# Altium PCB X-Track_2.0.PcbDoc (continued)
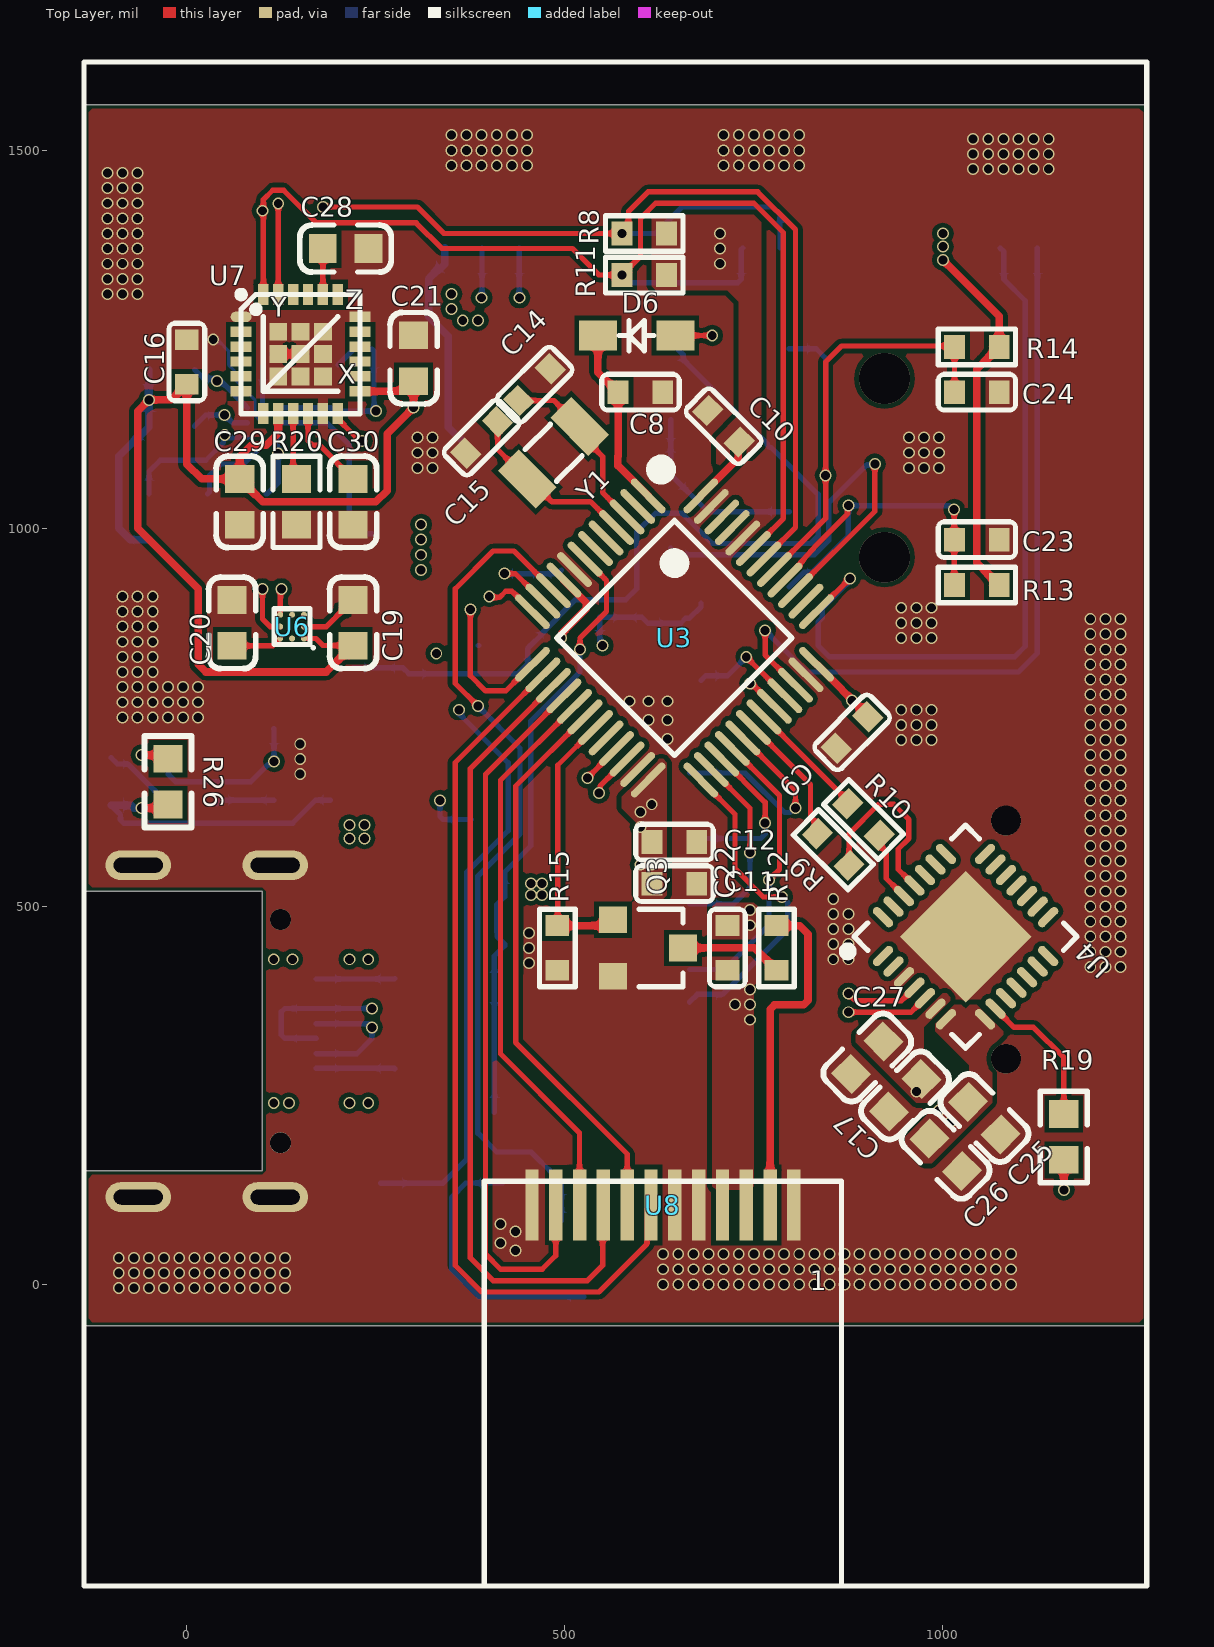
[diagram p0: Top Layer view]
## Footprints (in the part's own frame and the unit in brackets; to place one, negate y for a bottom-side part, rotate by r counter-clockwise, add the part's x,y. Pads: shape width x height; smd on the part's side, far side on the other; paste and mask are expansions set on the pad)
0603_C [mm]
  rect 0.93x0.98 smd: 1(-0.77,0) 2(0.77,0)
  silkscreen extent -1.53,-0.79 1.54,0.79, body extent -0.8,-0.4 0.8,0.4, height 0.3
0603_R [mm]
  rect 0.93x0.98 smd: 1(-0.77,0) 2(0.77,0)
  silkscreen extent -1.53,-0.79 1.54,0.79, body extent -0.85,-0.4 0.85,0.4, height 0.56
2512_R [mm]
  rect 1.25x3.42 smd: 1(-3.1,0) 2(3.1,0)
  silkscreen extent -4.03,-2.01 4.02,2.01, body extent -3.16,-1.6 3.16,1.6, height 0.62
BQ27220 [mm]
  round 0.245 smd: A1(0,0) A2(0.5,0) A3(1,0) B1(0,-0.5) B2(0.5,-0.5) B3(1,-0.5) C1(0,-1) C2(0.5,-1) C3(1,-1)
  silkscreen extent -0.3,-1.3 1.3,0.3
"GH1.25 2P 母座" [mm] "GH1.25 2P 母座"
  rect 1x2.7 smd: 0(-2.475,1.35) 0(2.475,1.35)
  rect 0.6x1.7 smd: 1(-0.625,4.55) 2(0.625,4.55)
  silkscreen extent -2.88,-0.2 2.88,4.1
"GH1.25 4P 母座" [mm] "GH1.25 4P 母座"
  rect 1x2.7 smd: 0(-3.725,1.35) 0(3.725,1.35)
  rect 0.6x1.7 smd: 1(-1.875,4.55) 2(-0.625,4.55) 3(0.625,4.55) 4(1.875,4.55)
  silkscreen extent -4.13,-0.2 4.13,4.1
LED_0603 [mm]
  rect 0.8x0.8 smd paste-0.1: A(-0.8,0) K(0.8,0)
  silkscreen extent -1.4,-0.6 1.4,0.6, body extent -0.8,-0.4 0.82,0.4, height 0.6
"LQFP48 7X7_L" [mm] "48脚，体宽7x7mm，脚距0.5mm"
  oval 0.25x1.55 smd: 1(-2.75,-4) 2(-2.25,-4) 3(-1.75,-4) 4(-1.25,-4) 5(-0.75,-4) 6(-0.25,-4) 7(0.25,-4) 8(0.75,-4) 9(1.25,-4) 10(1.75,-4) 11(2.25,-4) 12(2.75,-4) 25(2.75,4) 26(2.25,4) 27(1.75,4) 28(1.25,4) 29(0.75,4) 30(0.25,4) 31(-0.25,4) 32(-0.75,4) 33(-1.25,4) 34(-1.75,4) 35(-2.25,4) 36(-2.75,4)
  oval 1.55x0.25 smd: 13(4,-2.75) 14(4,-2.25) 15(4,-1.75) 16(4,-1.25) 17(4,-0.75) 18(4,-0.25) 19(4,0.25) 20(4,0.75) 21(4,1.25) 22(4,1.75) 23(4,2.25) 24(4,2.75) 37(-4,2.75) 38(-4,2.25) 39(-4,1.75) 40(-4,1.25) 41(-4,0.75) 42(-4,0.25) 43(-4,-0.25) 44(-4,-0.75) 45(-4,-1.25) 46(-4,-1.75) 47(-4,-2.25) 48(-4,-2.75)
  silkscreen extent -3.93,-4.57 2.79,2.79, body extent -4.5,-4.5 4.5,4.5, height 1.45
MOS_SOT-23 [mm]
  rect 0.9x0.95 smd: 1(-0.95,-1.175) 2(0,1.175) 3(0.95,-1.175)
  silkscreen extent -1.3,-0.3 1.3,1.18, body extent -1.45,-1.4 1.45,1.4, height 1.2
MPU-6050 [mm]
  oval 0.7x0.35 smd: 1(-2,1.25)
  rect 0.7x0.35 smd: 2(-2,0.75) 3(-2,0.25) 4(-2,-0.25) 5(-2,-0.75) 6(-2,-1.25) 13(2,-1.25) 14(2,-0.75) 15(2,-0.25) 16(2,0.25) 17(2,0.75) 18(2,1.25)
  rect 0.35x0.7 smd: 7(-1.25,-2) 8(-0.75,-2) 9(-0.25,-2) 10(0.25,-2) 11(0.75,-2) 12(1.25,-2) 19(1.25,2) 20(0.75,2) 21(0.25,2) 22(-0.25,2) 23(-0.75,2) 24(-1.25,2)
  rect 0.6x0.6 smd: NC(-0.75,0.75) NC(-0.75,-0.75) NC(-0.75,0) NC(0,-0.75) NC(0,0) NC(0,0.75) NC(0.75,-0.75) NC(0.75,0) NC(0.75,0.75)
  silkscreen extent -2.1,-2 2,2.1
QFN-28_5x5x05P [mm]
  rect 3.13x3.13 smd mask+0.051: 0(0,0)
  oval 0.28x0.85 smd mask+0.051: 1(-1.5,-2.425) 2(-1,-2.425) 3(-0.5,-2.425) 4(0,-2.425) 5(0.5,-2.425) 6(1,-2.425) 7(1.5,-2.425) 15(1.5,2.425) 16(1,2.425) 17(0.5,2.425) 18(0,2.425) 19(-0.5,2.425) 20(-1,2.425) 21(-1.5,2.425)
  oval 0.85x0.28 smd mask+0.051: 8(2.425,-1.5) 9(2.425,-1) 10(2.425,-0.5) 11(2.425,0) 12(2.425,0.5) 13(2.425,1) 14(2.425,1.5) 22(-2.425,1.5) 23(-2.425,1) 24(-2.425,0.5) 25(-2.425,0) 26(-2.425,-0.5) 27(-2.425,-1) 28(-2.425,-1.5)
  silkscreen extent -2.65,-3.3 2.65,2.65
QMC6310 [mm]
  round 0.2 smd: A1(0,0) A2(0.4,0) A3(0.8,0) B1(0,-0.4) B3(0.8,-0.4) C1(0,-0.8) C2(0.4,-0.8) C3(0.8,-0.8)
  silkscreen extent -0.31,-1 1,0.31
"SCREEN 2.0' 12PIN" [mm]
  rect 0.45x2.4 smd: 1(4.4,1.2) 2(3.6,1.2) 3(2.8,1.2) 4(2,1.2) 5(1.2,1.2) 6(0.4,1.2) 7(-0.4,1.2) 8(-1.2,1.2) 9(-2,1.2) 10(-2.8,1.2) 11(-3.6,1.2) 12(-4.4,1.2)
  silkscreen extent -19.45,-11.6 16.25,39.6
SIQ-02FVS3 [mm]
  rect 1.3x1.2 smd: 1(-4,-7.7) 2(-1.475,-7.7) 3(1.475,-7.7) 4(4,-7.7)
  rect 1.2x1.3 smd: 5(-5.4,-5.4) 5(-5.4,-1.3) 5(5.4,-5.4) 5(5.4,-1.3)
  rect 0.85x1.2 smd rot 45: 5(-2.828,2.828)
  rect 0.85x1.2 smd rot 135: 5(2.828,2.828)
  silkscreen extent -7.25,-7.25 7.25,7.25
SOT23-5 [mm]
  rect 0.5x1 smd: 1(0,0) 2(0.95,0) 3(1.9,0) 4(1.9,2.4) 5(0,2.4)
  silkscreen extent -0.55,0.4 2.45,2, body extent -0.5,-0.2 2.4,2.6, height 1.09
USB-TYPEC-沉板 [mm]
  round 0.71 hole 0.7: 11(-3.75,0.1) 11(3.75,0.1)
  rect 0.55x1.3 smd: A1/B12(-3.2,1.3) A4/B9(-2.45,1.3) B1/A12(3.2,1.3) B4/A9(2.45,1.3)
  rect 0.3x1.3 smd: A5(-1.25,1.3) A6(-0.25,1.3) A7(0.25,1.3) A8(1.25,1.3) B5(1.75,1.3) B6(0.75,1.3) B7(-0.75,1.3) B8(-1.75,1.3)
  oval 1x2.2 hole 1.65 slot 0.5 at 0 deg: G(-5.575,-4.68) G(-5.575,-0.08) G(5.575,-4.68) G(5.575,-0.08)
  silkscreen extent -6.5,-6.43 6.5,2.4
二极管_SOD-323 [mil]
  rect 50x40 smd: A(-51.18,0) K(51.18,0)
  silkscreen extent -23,-20 23,20, body extent -51,-26 51,26, height 39
开关按键_SKRP [mm]
  rect 1x0.6 smd: 1(-2.1,-1.1) 1(2.1,-1.1) 2(-2.1,1.1) 2(2.1,1.1)
  silkscreen extent -2,-1.5 2,1.5
接插件_Micro_SD [mm]
  rect 2.032x2.2 smd: 0(-10.1,-10.227) 0(5.4,-10.227)
  rect 1.2x1.4 smd: 0(-10.1,-0.627)
  round 1 hole 1 unplated: 0(-7.2,-10.627) 0(0.8,-10.627)
  rect 1.6x1.4 smd: 0(4.6,-0.627)
  rect 0.7x1.8 smd: 1(0,0) 2(-1.1,0) 3(-2.2,0) 4(-3.3,0) 5(-4.4,0) 6(-5.5,0) 7(-6.6,0) 8(-7.7,0) 9(-8.8,0)
  silkscreen extent -10.82,-14.91 6.17,1.52, body extent -10.37,-14.85 5.9,0.34, height 1.8
晶振_3215 [mm] "XTAL SMD 3.2 x 1.5 mm"
  rect 1x1.8 smd: 1(-1.25,0) 2(1.25,0)
  silkscreen extent -0.6,-0.75 0.6,0.75, body extent -1.6,-0.75 1.6,0.75, height 0.81
电容_C0603 [mm]
  rect 0.7x0.8 smd: 1(-0.75,0) 2(0.75,0)
  silkscreen extent -1.3,-0.6 1.3,0.6, body extent -0.8,-0.4 0.8,0.4, height 0.3
电容_C0805 [mm]
  rect 0.9x1.2 smd: 1(-0.9,0) 2(0.9,0)
  silkscreen extent -1.6,-0.8 1.6,0.8, body extent -1,-0.62 1,0.63, height 0.77
电容_C1206 [mm]
  rect 1x1.6 smd: 1(-1.5,0) 2(1.5,0)
  silkscreen extent -2.3,-1 2.3,1, body extent -1.6,-0.8 1.6,0.8, height 1
电阻_R0603 [mm]
  rect 0.7x0.8 smd: 1(-0.75,0) 2(0.75,0)
  silkscreen extent -1.3,-0.6 1.3,0.6, body extent -0.8,-0.4 0.8,0.4, height 0.45
蜂鸣器_SMD5020 [mm]
  rect 1.5x0.8 smd: 0(-2,1.75) 1(-2,-1.75) 2(2.108,-1.753)
  silkscreen extent -2.54,-2.54 2.66,2.66

## Part data
BZ1: library part BZ, _Comma=,, _Footprint=12*9.5mm,SOT塑封管, _Model=12V, _Name=Buzzer, _Specification=Buzzer,12V,12*9.5mm,SOT塑封管
C1 C2 C3 C4 C5 C6 C7 C8 C9 C10 C11 C12 C13 C14 C15 C16 C18 C22 C23 C24: library part cap, U=50V, 参数=Cap,0805,X7R,104K,50V,125C,±10%
  C1 C3: C=4.7UF
  C2 C4 C7 C8 C13 C18 C22 C23 C24: C=104
  C5: C=106
  C6: C=22uF
  C9 C10 C11 C12 C16: C=105
  C14 C15: C=22pf
C17 C20: library part "0603 4.7uF (475) 10% 16V", "贴片电容", Package=0603, SuppliersPartNumber=C19666, ComponentLink1Description=供应商链接, ComponentLink1URL=http://www.szlcsc.com/product/details_20375.html, Supplier=LC
C19 C31: library part "0603 2.2uF (225) 10% 16V", "贴片电容", Package=0603, SuppliersPartNumber=C23630, ComponentLink1Description=供应商链接, ComponentLink1URL=http://www.szlcsc.com/product/details_24366.html, Supplier=LC
C21 C26 C27 C30: library part "0603 100nF (104) 10% 50V", "贴片电容", Package=0603, SuppliersPartNumber=C14663, ComponentLink1Description=供应商链接, ComponentLink1URL=http://www.szlcsc.com/product/details_15331.html, Supplier=LC
C25 C29 C32: library part "0603 1uF (105) 10% 50V", "贴片电容", Package=0603, SuppliersPartNumber=C15849, ComponentLink1Description=供应商链接, ComponentLink1URL=http://www.szlcsc.com/product/details_16531.html, Supplier=LC
C28: library part "0805 2.2nF (222) 5% 50V", "贴片电容", Package=0805, SuppliersPartNumber=C28260, ComponentLink1Description=供应商链接, ComponentLink1URL=http://www.szlcsc.com/product/details_29010.html, Supplier=LC
D1: library part LED, 参数=LED,0603,Red
D2 D3 D4 D5 D6: library part Diode, _Current=1A, _Voltage=40V, _Comma=,, _Footprint=SOD-323, _Name=Diode
  D2 D3 D4 D5: _Model=1N4148, _Specification=Diode,1N4148,SOD-323,1A,40V
  D6: _Model=1N4007, _Specification=Diode,1N4007,SOD-323,1A,40V
K1: library part SW-PB, _Comma=,, _Model=SKRP, _Name=KEY, _Specification=KEY,SKRP,*
P3: _Value=TF,9PIN, _Comma=,, _Model=Micro_SD, _Name=Port, _Specification=Port,Micro_SD,TF,9PIN
Q1: library part MOSFET-P, _Current=40A, _Voltage=20V, _Comma=,, _Footprint=DFN3.3*3.3, _Model=AO3401, _Name=P-MOSFET, _Specification=P-MOSFET,AO3401,DFN3.3*3.3,40A,20V
Q2 Q3 Q4: library part MOSFET-N, _Current=150A, _Voltage=30V, _Comma=,, _Footprint=DFN5*6, _Name=N-MOSFET
  Q2: _Model=AON3400, _Specification=N-MOSFET,AON3400,DFN5*6,150A,30V
  Q3 Q4: _Model=AO3400, _Specification=N-MOSFET,AO3400,DFN5*6,150A,30V
R1 R2 R3 R4 R5 R6 R7 R9 R10 R15 R16: library part Res, P=1/8W, 参数=Res,0805,0R,±1%,1/8W,100ppm,155C
  R1: R=2K
  R2: R=1K
  R3 R4 R5 R6: R=20K
  R7 R15 R16: R=10K
  R9 R10: R=100R
R8 R11 R12 R13 R14: library part Res, _Power=1/8W, _Accuracy=1%, _Comma=,, _Drift=100ppm, _Footprint=0805, _Name=Res
  R8 R11 R13 R14: _Specification=Res,0805,10K,1%,1/8W,100ppm, _Value=10K
  R12: _Specification=Res,0805,10R,1%,1/8W,100ppm, _Value=10R
R17 R18: library part "0603 5.1KΩ (5101) 1%", "贴片电阻", Package=0603, SuppliersPartNumber=C23186, ComponentLink1Description=供应商链接, ComponentLink1URL=http://www.szlcsc.com/product/details_23913.html, Supplier=LC
R19 R20 R21 R22 R24 R25 R26: library part "0603 10KΩ (1002) 1%", "贴片电阻", Package=0603, SuppliersPartNumber=C25804, ComponentLink1Description=供应商链接, ComponentLink1URL=http://www.szlcsc.com/product/details_26547.html, Supplier=LC
R23: library part "0402 49.9Ω (49R9) 1%", "贴片电阻", Package=0402, SuppliersPartNumber=C25120, ComponentLink1Description=供应商链接, ComponentLink1URL=http://www.szlcsc.com/product/details_25863.html, Supplier=LC
U1: "线性充电管理控制器"
U2: library part LP5907, "LDO"
U3: library part AT32F403CGU6, _Comma=,, _Footprint=QFN48, _Model=AT32F403ACGU7, _Name=MCU, _Specification=MCU,AT32F403ACGU7,QFN48
U4: library part CP2102-GMR_[C6568], "USB", Package=QFN-28_5x5x05P, SuppliersPartNumber=C6568, ComponentLink1Description=供应商链接, ComponentLink1URL=http://www.szlcsc.com/product/details_7033.html, Supplier=LC
U7: "姿态传感器"
Y1: library part XTAL_A, _Accuracy=10ppm, _CL=12pF, _Comma=,, _Frequency=32.768K, _Name=CRYSTALS, _Specification=CRYSTALS,32.768K,*,10ppm,12pF

## Via types
v1: diameter 15.75, hole 11.81, Top Layer to Bottom Layer, 452 vias
v2: diameter 66.93, hole 66.93, Top Layer to Bottom Layer, 2 vias

## Nets (pads, with @x,y where several pads share a name; then routed paths per layer and width w, separated by ;. In a path a pad name is that pad's centre, name@x,y a point inside that pad or via, vN(x,y) a via of type N, cw(c..) or ccw(c..) an arc to the next point about the centre after c; other vN are vias at no path point)
3V3: C6.2 C7.2 C9.2 C10.2 C11.2 C12.2 C16.1 C18.1 C19.1 C21.1 C22.1 C29.1 J2.1 J4.1 P3.4 R7.2 R8.2 R11.2 R13.2 R14.2 R21.2 R22.2 R24.1 U2.5 U3.9 U3.24 U3.36 U3.48 U6.A1 U7.8 U7.13 U8.3 U8.4 | length 3371.7
  Top Layer w7: U6.A1 170.75,854.25 180,845 219.33,845 219.68,845 C19.1
  Top Layer w10: U7.8 120.94,1125.95 105,1110 85,1110 70,1095 C29.1 ; C19.1@219.33,845 184.33,810 25,810 15,820 15,920 -65,1000 -65,1155 v1(-50,1170) -20.47,1170 -10.75,1179.72 -10.75,1181.69 -1.97,1190.47 C16.1 0,1085 19.68,1065.32 C29.1 ; U7.13 285.59,1181.26 299.02,1194.68 C21.1 ; 300,1168.2 v1(300,1160) ; C21.1@306.76,1201.44 C21.1 ; v1(495,855) 496.1,856.1 496.1,861.1 528.56,893.56 528.56,901.84 U3.9 ; C12.2 C12.2@615.47,586.22 ; U3.48 729.49,1092.6 729.49,1112.73 C10.2 ; U3.36 900.88,752.23 C9.2 ; v1(1000,1355) 1074.53,1280.47 R14.2 1074.53,1238.03 1065.75,1229.25 1063.78,1229.25 1045,1210.47 1045,954.53 1063.78,935.75 1065.75,935.75 1074.53,926.97 R13.2 ; C29.1 70.98,1065.32 84.29,1052.01 84.29,1051.02 100.32,1035 250,1035 265,1050 265,1125 v1(300,1160) ; v1(300,1160) C21.1
  Layer 1 w10: v1(300,1160) 365,1225 v1(365,1275) ; v1(615,635) 730,750 857.5,750 v1(880,772.5)
  Layer 2 w10: v1(455,530) 455,580 495,620 v1(495,855)
  Bottom Layer w10: R24.1 R22.2 -50.32,1134.02 -63.62,1120.71 -64.61,1120.71 -90,1095.32 -90,1000 -75,985 -50.32,985 R21.2
  other v1: 745,350 725,370 745,370 745,390 745,475 745,495 455,515 470,515 470,530 600,555 615,555 600,605 600,625 385,1275 350,1290 350,1310 705,1350 705,1370 1000,1372.5 705,1390 1000,1390
BAT: BZ1.1 C4.2 C5.2 J3.1 Q1.2 R3.2 U2.1 U2.3 | length 1175.7
  Layer 1 w7: v1(330,834.69) 330,790 v1(360,760)
  Bottom Layer w7: BZ1.1 338.9,133.9 370,165 370,545 425,600 425,690 361.67,753.33 361.67,758.33 v1(360,760) ; Q1.2@385.28,845 Q1.2
  Bottom Layer w10: J3.1 341.18,1349.21 334.37,1342.4 332.07,1342.4 320,1330.33 320,1280 346.07,1253.93 346.07,1133.93 366.97,1113.03 366.97,1088.74 U2.3
BAT_CHG_DET: R2.1 R26.1 U1.1 U3.32 | length 1077.7
  Top Layer w7: v1(745,795) 746.76,795 U3.32
  Top Layer w10: v1(-60,700) -29.69,700 R26.1
  Layer 1 w7: v1(115.49,691.48) 116.67,690.3 116.67,683.33 175,625 325.43,625 335.43,615 565,615 v1(745,795)
  Bottom Layer w7: R2.1 -24.35,693.88 -24.35,674.35 -15,665 85,665 107.5,687.5 109.14,687.5 113.13,691.48 v1(115.49,691.48) 115.25,691.73 115.25,734.75 U1.1
  Bottom Layer w10: v1(-60,700) -30.47,700 R2.1
BAT_DET: R3.1 R5.2 U3.11 | length 143.6
  Top Layer w7: v1(420,940) 434.73,940 U3.11
  Bottom Layer w7: v1(420,940) 490.47,940 R5.2
BAT_IN: C1.2 C2.1 D6.A Q1.3 R4.1 R23.1 U1.3 U5.C2 | length 794.8
  Top Layer w7: D6.A v1(695,1255)
  Layer 2 w10: v1(310,1005) 470.86,1005 695,1229.14 v1(695,1255)
  Bottom Layer w7: U5.C2 185.32,1139.68 215,1110 215,1014.06 236.11,992.95 R23.1
  other v1: 310,945 310,965 310,985
BAT_PACK+: C32.2 J1.2 R23.2 U5.C1 U5.C3 | length 504.1
  Layer 1 w7: v1(120.85,1099.15) 121.69,1100 175,1100 230,1155 v1(250,1155)
  Bottom Layer w7: C32.2 105.98,1045.31 120.79,1060.12 120.79,1099.1 v1(120.85,1099.15) ; v1@119.68,1099.15 U5.C3 ; U5.C1 190.63,1159.37 195,1155 247.5,1155 v1(250,1155) 250,1157.37 247.5,1159.87 247.5,1234.55 R23.2 221.11,1237.05 R23.2@200,1215.94
BUZZ: Q4.1 R16.2 U3.10 | length 1151.6
  Top Layer w7: v1(385,765) 355,795 355,920 405,970 432.56,970 U3.10
  Bottom Layer w7: v1(385,765) 440.81,709.19 440.81,595.81 385,540 385,200 410,175 455.47,175 484.72,145.75 486.69,145.75 495.47,136.97 R16.2 495.47,84.13 Q4.1
D+: P4.A6 P4.B6 U4.4 | length 1041.2
  Top Layer w7: v1(875,385) 885,375 945,375 U4.4
  Layer 1 w7: v1(245,365) 348.38,365 473.38,240 705,240 850,385 v1(875,385)
  Bottom Layer w7: P4.A6 170.68,325.66 129.34,325.66 125,330 125,360.43 129.57,365 v1(245,365)
D-: P4.A7 P4.B7 U4.5 | length 1014.1
  Top Layer w7: v1(875,360) 957.84,360 U4.5
  Layer 1 w7: v1(245.05,340) 355,340 468,227 710.38,227 843.38,360 v1(875,360)
  Bottom Layer w7: P4.B7 171.65,305 225,305 245.05,325.05 v1(245.05,340) 240.21,344.84 P4.A7
EC_A: C23.1 R13.1 U3.40 U9.1 | length 520.3
  Top Layer w7: U3.40 833.03,978.03 873.9,1018.9 873.9,1028.9 v1(875,1030) ; v1(1015,1025) 1015,925.47 R13.1
  Bottom Layer w7: U9.1 816.2,941.87 826.87,941.87 875,990 v1(875,1030) 1008.44,1030 1013.44,1025 v1(1015,1025)
EC_B: C24.1 R14.1 U3.41 U9.4 | length 750.6
  Top Layer w7: U3.41 845,1013.24 v1(845,1070) 845,1220 866.07,1241.07 1014.4,1241.07 R14.1 C24.1
  Bottom Layer w7: U9.4 832.52,1237.48 845,1225 v1(845,1070)
EC_KEY: D2.K D3.K U9.2 | length 249.9
  Bottom Layer w7: D2.K D3.K 640,1071.18 689.25,1021.93 U9.2
EC_KEY_DET: D3.A U3.39 | length 563.5
  Top Layer w7: U3.39 910,1022.56 v1(910,1085)
  Bottom Layer w7: D3.A 648.82,965 830,965 849.25,984.25 849.25,1034.25 898.9,1083.9 908.9,1083.9 v1(910,1085)
GAUGE_INT: R24.2 U3.22 U5.A1 | length 1082.2
  Top Layer w7: v1(545,650) 546.67,651.67 546.67,659.24 U3.22
  Layer 1 w7: v1(40,1195) 40,1175 0,1135 0,950 285,665 365,665 380,650 v1(545,650)
  Bottom Layer w7: R24.2 22.38,1197.94 41.75,1197.94 U5.A1
GND: C1.1 C2.2 C3.1 C4.1 C5.1 C6.1 C7.1 C8.1 C9.1 C10.1 C11.1 C12.1 C13.1 C14.2 C15.2 C16.2 C17.1 C18.2 C19.2 C20.1 C21.2 C22.2 C23.2 C24.2 C25.2 C26.2 C27.1 C28.2 C29.2 C30.1 C31.2 C32.1 J1.0 J1.1 J2.0 J2.4 J3.0 J3.4 J4.0 J4.4 K1.1 P3.0 P3.6 P4.11 P4.A1/B12 P4.B1/A12 P4.G Q2.3 Q3.3 Q4.3 R1.1 R5.1 R6.2 R15.1 R16.1 R17.2 R18.2 R20.1 R25.1 U1.2 U2.2 U3.8 U3.23 U3.35 U3.44 U3.47 U4.0 U4.3 U5.B2 U6.B1 U7.1 U7.11 U7.18 U7.NC U8.1 U8.5 U8.6 U8.12 U9.3 U9.5 | length 249.9
  Top Layer w7: U6.B1 184.68,870 C19.2@205.71,891.02
  Top Layer w10: U7.NC@120.94,1230.47 U7.NC@150.47,1230.47 ; C19.2@205.71,891.02 205.71,892.01 219.02,905.32 C19.2
  Bottom Layer w4: v1(35,1250) 37.25,1247.75 42.25,1247.75 55,1235 55,1216.54 63.16,1208.38 63.16,1196.84 90,1170 90,1153.47 90.34,1153.13 90.34,1149.35 U5.B2
  other v1: -90,-5 -70,-5 -50,-5 -30,-5 -10,-5 10,-5 30,-5 50,-5 70,-5 90,-5 110,-5 130,-5 630,0 650,0 670,0 690,0 710,0 730,0 750,0 770,0 790,0 810,0 830,0 850,0 870,0 890,0 910,0 930,0 950,0 970,0 990,0 1010,0 1030,0 1050,0 1070,0 1090,0 -90,15 -70,15 -50,15 -30,15 -10,15 10,15 30,15 50,15 70,15 90,15 110,15 130,15 630,20 650,20 670,20 690,20 710,20 730,20 750,20 770,20 790,20 810,20 830,20 850,20 870,20 890,20 910,20 930,20 950,20 970,20 990,20 1010,20 1030,20 1050,20 1070,20 1090,20 -90,35 -70,35 -50,35 -30,35 -10,35 10,35 30,35 50,35 70,35 90,35 110,35 130,35 630,40 650,40 670,40 690,40 710,40 730,40 750,40 770,40 790,40 810,40 830,40 850,40 870,40 890,40 910,40 930,40 950,40 970,40 990,40 1010,40 1030,40 1050,40 1070,40 1090,40 435,45 415,55 435,70 415,80 1195,420 1215,420 1235,420 452.37,425 855,430 875,430 1195,440 1215,440 1235,440 452.37,445 855,450 875,450 1195,460 1215,460 1235,460 452.37,465 855,470 875,470 1195,480 1215,480 1235,480 855,490 875,490 1195,500 1215,500 1235,500 855,510 1195,520 1215,520 1235,520 1195,540 1215,540 1235,540 1195,560 1215,560 1235,560 1195,580 1215,580 1235,580 1195,600 1215,600 1235,600 1195,620 1215,620 1235,620 1195,640 1215,640 1235,640 1195,660 1215,660 1235,660 150,675 1195,680 1215,680 1235,680 150,695 1195,700 1215,700 1235,700 150,715 945,720 965,720 985,720 1195,720 1215,720 1235,720 635.65,721.31 945,740 965,740 985,740 1195,740 1215,740 1235,740 610.65,746.31 635.65,746.31 -85,750 -65,750 -45,750 -25,750 -5,750 15,750 945,760 965,760 985,760 1195,760 1215,760 1235,760 -85,770 -65,770 -45,770 -25,770 -5,770 15,770 585.65,771.31 610.65,771.31 635.65,771.31 1195,780 1215,780 1235,780 -85,790 -65,790 -45,790 -25,790 -5,790 15,790 1195,800 1215,800 1235,800 -85,810 -65,810 -45,810 1195,820 1215,820 1235,820 -85,830 -65,830 -45,830 1195,840 1215,840 1235,840 -85,850 -65,850 -45,850 945,855 965,855 985,855 1195,860 1215,860 1235,860 -85,870 -65,870 -45,870 945,875 965,875 985,875 1195,880 1215,880 1235,880 -85,890 -65,890 -45,890 945,895 965,895 985,895 -85,910 -65,910 -45,910 305,1080 325,1080 955,1080 975,1080 995,1080 305,1100 325,1100 955,1100 975,1100 995,1100 305,1120 325,1120 955,1120 975,1120 995,1120 -105,1310 -85,1310 -65,1310 -105,1330 -85,1330 -65,1330 -105,1350 -85,1350 -65,1350 -105,1370 -85,1370 -65,1370 -105,1390 -85,1390 -65,1390 -105,1410 -85,1410 -65,1410 -105,1430 -85,1430 -65,1430 -105,1450 -85,1450 -65,1450 -105,1470 -85,1470 -65,1470 1040,1475 1060,1475 1080,1475 1100,1475 1120,1475 1140,1475 350,1480 370,1480 390,1480 410,1480 430,1480 450,1480 710,1480 730,1480 750,1480 770,1480 790,1480 810,1480 1040,1495 1060,1495 1080,1495 1100,1495 1120,1495 1140,1495 350,1500 370,1500 390,1500 410,1500 430,1500 450,1500 710,1500 730,1500 750,1500 770,1500 790,1500 810,1500 1040,1515 1060,1515 1080,1515 1100,1515 1120,1515 1140,1515 350,1520 370,1520 390,1520 410,1520 430,1520 450,1520 710,1520 730,1520 750,1520 770,1520 790,1520 810,1520
GPS_RX: J3.3 U3.12 | length 550
  Top Layer w7: v1(400,910) 401.51,908.49 413.49,908.49 421.8,916.8 430.09,916.8 U3.12
  Layer 1 w7: v1(400,910) 400,1130 425,1155 425,1290 v1(440,1305)
  Bottom Layer w7: v1@439.61,1305.39 J3.3
  Bottom Layer w10: v1@439.61,1305.39 v1(440,1305)
GPS_TX: J3.2 U3.13 | length 693.8
  Top Layer w7: v1(375,892.37) 375,805 395,785 421.89,785 U3.13
  Layer 1 w7: v1(375,892.37) 375,1135 410,1170 410,1285 v1(390,1305)
  Bottom Layer w7: v1(390,1305) 390.39,1305.39 J3.2
IMU_INT1: U3.21 U7.12 | length 698.2
  Top Layer w7: U7.12 199.68,1144.84 227.36,1117.17 229.81,1117.17 v1(231.48,1115.49) ; v1(530,670) 568.45,708.45 U3.21
  Layer 1 w7: v1(231.48,1115.49) 345,1001.98 345,875 465,755 465,695 490,670 v1(530,670)
MCU_RX: R10.1 U3.31 | length 160.6
  Top Layer w7: U3.31 874.12,639.8 R10.1
MCU_SCL: J4.3 R8.1 R21.1 U3.42 U5.A3 U6.B3 U7.23 | length 2476
  Top Layer w7: v1(100,920) 100,880 110,870 U6.B3 ; U7.23 120.94,1336.68 v1(120.93,1429.83) ; v1(180,1425) 305,1425 340,1390 v1(575.47,1390) 584.25,1398.78 584.25,1419.25 610,1445 755,1445 805,1395 805,1001.08 U3.42
  Layer 1 w7: v1(100,920) 35,985 35,1109.77 48.73,1123.51 v1(50.2,1123.51) 50.93,1124.24 116.83,1124.24 120.93,1128.34 v1(120.93,1429.83) 131.1,1440 162.63,1440 177.63,1425 v1(180,1425)
  Bottom Layer w7: R21.1 -50,1075 -35,1090 25,1090 48.53,1113.53 48.53,1121.83 v1(50.2,1123.51) 51.75,1123.51 55.26,1120 U5.A3 ; v1(575.47,1390) 620,1390 655,1425 775,1425 784.61,1415.39 J4.3
MCU_SDA: J4.2 R11.1 R22.1 U3.43 U5.A2 U6.C3 U7.24 | length 2358.8
  Top Layer w7: U7.24 101.26,1420 101.26,1434.73 113.73,1447.2 128.13,1447.2 171.33,1404 303.37,1404 337.37,1370 510,1370 545,1335 v1(575.47,1335) ; U6.C3@123.75,886 123.75,914.69 123.9,914.84 123.9,918.9 v1(125,920) ; R11.1@583.11,1327.37 v1(575.47,1335) ; U3.43 789,1012.92 789,1391 750,1430 620,1430 600,1410 600,1359.53 v1(575.47,1335)
  Layer 1 w7: v1(100,1420) 100,1200 v1(50,1150) 15,1115 15,970 90,895 110,895 123.9,908.9 123.9,918.9 v1(125,920)
  Bottom Layer w7: R22.1 10.31,1135.19 25.12,1150 v1(50,1150) 60.32,1139.68 U5.A2 ; v1(575.47,1335) 585.47,1325 729.16,1325 733.26,1329.1 733.26,1368.73 J4.2
MCU_TX: R9.1 U3.30 | length 176
  Top Layer w7: U3.30 825,661.08 825,617.62 834.22,608.4 834.22,595.98 R9.1
NetBZ1_2: BZ1.2 Q4.2 | length 360.9
  Bottom Layer w7: BZ1.2 369,134 350,115 350,20 386.26,-16.26 476.26,-16.26 Q4.2
NetC20_2: C20.2 U6.A3 | length 67.1
  Top Layer w7: C20.2 113.94,844.68 U6.A3@123.25,854
NetC28_1: C28.1 U7.20 | length 65.9
  Top Layer w7: C28.1@179.68,1375 180,1374.68 U7.20
NetC30_2: C30.2 U7.10 | length 117.1
  Top Layer w7: U7.10 160.32,1115.86 166.17,1110 175.32,1110 205.71,1079.61 205.71,1078.62 219.02,1065.32 C30.2
NetD1_K: D1.K R2.2 | length 101.4
  Bottom Layer w7: D1.K -91.83,688.33 -77.85,688.33 -37.25,647.72 -37.25,645.75 -26.97,635.47 R2.2
NetD2_A: D2.A Q1.1 Q2.2 R4.2 | length 1122.5
  Bottom Layer w7: R4.2 285.87,815.47 Q1.1 437.6,807.6 450.88,820.88 450.88,841.16 Q2.2@454.72,845 ; Q2.2 Q2.2@454.72,845 ; D2.A 656.5,1229.68 656.5,1223.49 767.73,1112.26 767.73,1110.2 770.95,1106.98 773.01,1106.98 835,1044.99 835,990 825,980 695,980 655,1020 620,1020 595,995 595,920 580.62,905.62 514.36,905.62 468.94,860.2 468.94,859.22 Q2.2@454.72,845
NetD4_K: D4.K D5.K Q2.1 R6.1 | length 703.2
  Layer 1 w7: v1(335,640) 336.67,638.33 341.67,638.33 350,630 555,630 565,640 565,830 v1(550,845)
  Bottom Layer w7: v1(335,640) 335,619.1 339.1,615 D4.K ; v1(550,845) 550,847.37 546.26,851.11 Q2.1 602.13,882.4 R6.1 653.35,874.53 660,881.18 665,881.18 680,896.18 D5.K
NetP4_A5: P4.A5 R17.1 | length 104
  Bottom Layer w7: P4.A5 274.53,285.79 R17.1
NetP4_B5: P4.B5 R18.1 | length 104.1
  Bottom Layer w7: P4.B5 274.21,403.9 R18.1
NetQ3_2: Q3.2 R12.1 | length 137.1
  Top Layer w10: Q3.2 750.47,445 769.25,426.22 769.25,424.25 778.03,415.47 R12.1
NetR1_2: R1.2 U1.5 | length 77.1
  Bottom Layer w7: R1.2 45.04,640.51 U1.5
NetR9_2: R9.2 U4.25 | length 248.7
  Top Layer w7: R9.2 877.27,555.51 877.27,567.93 875.88,569.32 875.88,595.88 915,635 935,635 955,615 955,590 941,576 941,549 U4.25
NetR10_2: R10.2 U4.26 | length 94.2
  Top Layer w7: R10.2 915.78,594.02 915.78,581.6 925,572.38 925,537.16 U4.26
NetR19_2: R19.2 U4.9 | length 191.8
  Top Layer w7: U4.9 1094.32,340 1120,340 1160,300 R19.2
NetR20_2: R20.2 U7.9 | length 88.2
  Top Layer w7: U7.9 140.63,1069.69 R20.2
NetR25_2: R25.2 U5.B1 | length 55.3
  Bottom Layer w7: U5.B1 R25.2
OSC32_IN: C14.1 U3.3 Y1.1 | length 241.7
  Top Layer w7: C14.1 440.51,1167.73 452.93,1167.73 454.32,1169.12 485.48,1169.12 Y1.1 519.8,1125.2 550,1095 550,1047.44 U3.3
OSC32_OUT: C15.1 U3.4 Y1.2 | length 237.9
  Top Layer w7: C15.1 412.27,1139.49 412.27,1127.07 410.88,1125.68 410.88,1104.52 Y1.2 452.84,1065.2 483.04,1035 534.6,1035 U3.4
PWR_EN: D5.A U3.33 | length 145.6
  Top Layer w7: v1(740,830) 773.16,796.84 773.16,796.44 U3.33
  Bottom Layer w7: D5.A 686.18,805 715,805 v1(740,830)
RST: C13.2 K1.2 R7.1 U3.7 | length 813.9
  Top Layer w7: v1(520,840) 520,855 555,890 555,931.08 U3.7
  Bottom Layer w7: K1.2@406.69,227.32 406.69,392.68 406.69,434.25 420.47,448.03 C13.2 410.19,460.28 410.19,466.16 410,466.35 410,502.24 420.47,512.72 420.47,545.47 455,580 455,745 520,810 v1(520,840)
SCR_BLK: Q3.1 R15.2 U3.19 | length 360.1
  Top Layer w7: R15.2 490.63,475.16 490.63,686.71 U3.19
  Top Layer w10: R15.2 555.87,474.53 Q3.1
SCR_CS: U3.18 U8.8 | length 744.8
  Top Layer w7: U3.18 435,658.92 435,410 434.9,409.9 434.9,320.1 582.52,172.48 U8.8
SCR_DC: U3.14 U8.7 | length 1177.4
  Top Layer w7: U3.14 355,690.27 355,25 390,-10 545,-10 608.66,53.66 608.66,99.64 U8.7
SCR_LEDK: R12.2 U8.2 | length 447.9
  Top Layer w10: U8.2 771.5,364.14 777.35,370 815.8,370 821.65,375.86 821.65,463.35 810.47,474.53 R12.2
SCR_RES: U3.16 U8.11 | length 957.2
  Top Layer w7: U8.11 488.03,38.03 470,20 415,20 395,40 395,674.6 U3.16
SCR_SCL: U3.15 U8.9 | length 1079
  Top Layer w7: U3.15 375,682.44 375,35 405,5 530,5 550,25 550,103.98 U8.9
SCR_SDA: U3.17 U8.10 | length 743.3
  Top Layer w7: U3.17 415,666.76 415,305 519.53,200.47 U8.10
SD_CD: P3.9 U3.29 | length 285.7
  Top Layer w7: U3.29 805,653.24 v1(805,630)
  Bottom Layer w7: P3.9 738.54,676.46 790.86,624.14 797.59,624.14 803.44,630 v1(805,630)
SD_CS: P3.2 U3.25 | length 429.5
  Top Layer w7: U3.25 725,621.89 725,550 762.5,512.5 v1(787.5,512.5)
  Bottom Layer w7: P3.2 675.28,383.59 708.59,383.59 795,470 795,505 v1(787.5,512.5)
SD_MISO: P3.7 U3.27 | length 225.4
  Top Layer w7: U3.27 765,637.56 v1(765,610)
  Bottom Layer w7: P3.7 759.14,589.84 765,595.7 v1(765,610)
SD_MOSI: P3.3 U3.28 | length 394.4
  Top Layer w7: U3.28 783.87,646.53 783.87,548.87 v1(770,535)
  Bottom Layer w7: P3.3 711.18,416.61 770,475.43 v1(770,535)
SD_SCK: P3.5 U3.26 | length 266.3
  Top Layer w7: U3.26 745,629.73 v1(745,570.97)
  Bottom Layer w7: P3.5 723.23,503.23 745,525 v1(745,570.97)
SWCLK: J2.2 U3.37 | length 1001.2
  Top Layer w7: U3.37 v1(877.01,933.9) v1@878.9,933.9
  Bottom Layer w7: v1(877.01,933.9) 879.54,933.9 880,933.44 840.33,893.77 840.33,881.3 835,875.97 835,845 850,830 1095,830 1109,844 1109,1301 1080.7,1329.3 1080.7,1365.95 J2.2
SWDIO: J2.3 U3.34 | length 1018.2
  Top Layer w7: v1(765,865) 765,832.44 U3.34
  Bottom Layer w7: v1(765,865) 820,810 1100,810 1125,835 J2.3
USB_VCC: C3.2 C25.1 C26.1 D1.A D4.A P4.A4/B9 P4.B4/A9 R26.2 U1.4 U4.7 U4.8 | length 1290.9
  Top Layer w10: v1(-60,630) -29.68,630 R26.2
  Layer 2 w10: v1(240,240) 380,100 930,100 1010,180 v1(1010,215)
  Bottom Layer w7: D1.A -87.75,621.26 -87.75,614.1 -83.65,610 140,610 170.51,640.51 U1.4
  Bottom Layer w10: D1.A -73.5,633.5 -70,630 v1(-60,630)
  other v1: 995,230 115,240 135,240 215,240 115,430 140,430 215,430 240,430 215,590 235,590 215,607.63 235,607.63
V33_CP2102: C17.2 C27.2 R19.1 U4.6 | length 350
  Top Layer w10: v1(1160,125) R19.1
  Layer 2 w10: v1(965,255) 1135,255 1160,230 v1(1160,125)
VBAT: C8.2 D6.K U3.1 | length 241.8
  Top Layer w7: C8.2@559.72,1190.75 561.69,1190.75 570.47,1181.97 C8.2 C8.2@570,1179.53
  Top Layer w10: D6.K 543.82,1206.65 C8.2@559.72,1190.75 ; C8.2 570.47,1095.47 570,1095 570,1083.11 U3.1
VDD_GAUGE: C31.1 U5.B3 | length 122.3
  Bottom Layer w7: C31.1 30.02,1047.84 30.02,1070.02 45,1085 75,1085 100,1110 U5.B3
pads on no net: BZ1.0 P3.1 P3.8 P4.A8 P4.B8 U2.4 U3.2 U3.5 U3.6 U3.20 U3.38 U3.45 U3.46 U4.1 U4.2 U4.10 U4.11 U4.12 U4.13 U4.14 U4.15 U4.16 U4.17 U4.18 U4.19 U4.20 U4.21 U4.22 U4.23 U4.24 U4.27 U4.28 U6.A2 U6.C1 U6.C2 U7.2 U7.3 U7.4 U7.5 U7.6 U7.7 U7.14 U7.15 U7.16 U7.17 U7.19 U7.21 U7.22
copper on no net:
  other v2: 922.83,961.89 922.83,1198.11

## Polygon pours and split planes (outlines as drawn)
GND on Bottom Layer "GND_L04_P049" (solid, pour order 49): 105,150 100,145 -125,145 -130,140 -130,-45 -125,-50 1260,-50 1265,-45 1265,1550 1260,1555 -125,1555 -130,1550 -130,530 -125,525 100,525 105,520
BAT_PACK+ on Bottom Layer "BAT_PACK+_L04_P026" (solid, pour order 26): 55,1410 55,1335 60,1330 165,1330 175,1320 175,1220 180,1215 315,1215 320,1220 320,1410 315,1415 60,1415
BAT on Bottom Layer "BAT_L04_P046" (solid, pour order 46): 405,870 410,865 410,825 405,820 325,820 320,825 320,850 330,860 330,925 365,960 390,985 410,985 420,995 420,1030 415,1035 365,1035 360,1040 360,1106.05 363.94,1110 375,1110 380,1105 380,1065 385,1060 430,1060 435,1065 435,1105 440,1110 465,1110 470,1105 470,1045 480,1035 515,1035 520,1030 520,985 505,970 430,970 405,945 405,935 390,920 375,920 360,905 360,875 365,870
BAT_IN on Bottom Layer "BAT_IN_L04_P029" (solid, pour order 29): 175,1020 130,975 130,795 135,790 175,790 180,785 180,715 185,710 210,710 215,715 215,790 210,795 200,795 195,800 195,855 200,860 315,860 320,865 320,1015 315,1020
USB_VCC on Bottom Layer "USB_VCC_L04_P027" (solid, pour order 27): 250,740 175,665 175,618.46 190,603.46 190,580 195,575 245,575 250,580 250,590 255,595 300,595 305,600 305,725 290,740
3V3 on Bottom Layer "3V3_L04_P030" (solid, pour order 30): 350,1325 340,1320 340,1285 360,1265 415,1265 420,1260 420,1165 430,1155 560,1155 580,1175 580,1215 505,1290 370,1290 365,1295 365,1320
USB_VCC on Bottom Layer "USB_VCC_L04_P048" (solid, pour order 48): 110,443.15 105,438.15 105,419.69 110,415 245,415 250,420 250,440 246.94,443.07 245.41,443.07
USB_VCC on Bottom Layer "USB_VCC_L04_P047" (solid, pour order 47): 110,253.15 105,248.15 105,229.69 110,225 245,225 250,230 250,250 246.94,253.07 245.41,253.07
3V3 on Bottom Layer "3V3_L04_P036" (solid, pour order 36): 1040,1410 1045,1405 1045,1340 1040,1335 995,1335 990,1340 990,1405 995,1410
3V3 on Bottom Layer "3V3_L04_P037" (solid, pour order 37): 675,1410 670,1405 670,1340 675,1335 710,1335 715,1340 715,1405 710,1410
3V3 on Bottom Layer "3V3_L04_P033" (solid, pour order 33): 455,535 450,530 450,505 465,490 535,490 550,475 550,445 555,440 705,440 710,445 710,475 705,480 600,480 545,535
GND on Layer 2 "GND_L03_P045" (solid, pour order 45): 105,150 100,145 -125,145 -130,140 -130,-45 -125,-50 1260,-50 1265,-45 1265,1550 1260,1555 -125,1555 -130,1550 -130,530 -125,525 100,525 105,520
3V3 on Layer 2 "3V3_L03_P040" (solid, pour order 40): 990,1410 980,1400 980,1345 990,1335 1095,1335 1115,1315 1115,465 980,330 880,330 840,370 705,370 700,365 700,280 705,275 1035,275 1160,275 1180,295 1180,1395 1165,1410
3V3 on Layer 2 "3V3_L03_P039" (solid, pour order 39): 980,330 985,325 985,290 970,275 705,275 700,280 700,365 705,370 840,370 880,330
3V3 on Layer 2 "3V3_L03_P044" (solid, pour order 44): 450,545 445,540 445,505 455,495 600,495 695,400 695,175 700,170 762.5,170 765,175 765,290 765,505 760,510 725,510 640,595 640,650 635,655 600,655 585,640 585,570 560,545
USB_VCC on Layer 2 "USB_VCC_L03_P028" (solid, pour order 28): 205,630 200,625 200,455 190,445 110,445 105,440 105,420 110,415 145,415 150,410 150,255 145,250 110,250 105,245 105,230 110,225 245,225 250,230 250,250 245,255 220,255 215,260 215,410 220,415 250,415 255,420 255,435 250,440 250,625 245,630
3V3 on Layer 2 "3V3_L03_P035" (solid, pour order 35): 330,1410 325,1405 325,1335 340,1320 340,1285 360,1265 390,1265 395,1270 395,1285 390,1290 370,1290 365,1295 365,1330 370,1335 1040,1335 1045,1340 1045,1405 1040,1410
GND on Top Layer "GND_L01_P042" (solid, pour order 42): 105,150 100,145 -125,145 -130,140 -130,-45 -125,-50 1260,-50 1265,-45 1265,1550 1260,1555 -125,1555 -130,1550 -130,530 -125,525 100,525 105,520
V33_CP2102 on Top Layer "V33_CP2102_L01_P031" (solid, pour order 31): 1000,385 1005,385 1010,380 1010,375 975,340 975,305 1005,275 1005,265 980,240 965,240 885,320 885,330 905,350 965,350
3V3 on Top Layer "3V3_L01_P041" (solid, pour order 41): 620,1415 615,1410 615,1320 620,1315 715,1315 730,1300 730,1150 700,1120 700,1075 655,1030 655,1020 660,1015 665,1015 760,1110 760,1405 750,1415
3V3 on Top Layer "3V3_L01_P038" (solid, remove dead copper, pour order 38): 700,505 695,500 695,130 700,125 745,125 750,130 750,395 755,400 755,500 750,505
3V3 on Top Layer "3V3_L01_P034" (solid, pour order 34): 625,695 575,645 575,630 595,610 595,515 600,510 630,510 635,515 635,690 630,695
USB_VCC on Top Layer "USB_VCC_L01_P032" (solid, pour order 32): 1015,370 990,345 990,335 1035,290 1035,280 950,195 950,185 975,160 985,160 1065,240 1065,280 1060,285 1060,310 1080,330 1080,335 1045,370
GND on Layer 1 "GND_L02_P043" (solid, pour order 43): 105,150 100,145 -125,145 -130,140 -130,-45 -125,-50 1260,-50 1265,-45 1265,1550 1260,1555 -125,1555 -130,1550 -130,530 -125,525 100,525 105,520

## Silkscreen, mask and mechanical layers (free items; w line width, h text height)
Mechanical 1:
  the board outline again, w7

## Text inside footprints (layer, text, board x,y; h text height)
P3: Bottom Overlay "7" at 739,592 h25.59 r90; Bottom Overlay "1" at 741,334 h25.59 r90; Bottom Overlay "2" at 740,377 h25.59 r90; Bottom Overlay "3" at 740,419 h25.59 r90; Bottom Overlay "4" at 740,466 h25.59 r90; Bottom Overlay "5" at 739,508 h25.59 r90; Bottom Overlay "6" at 739,550 h25.59 r90; Bottom Overlay "8" at 738,636 h25.59 r90; Bottom Overlay "Cd" at 716,689 h25.59 r180
P4: Bottom Overlay "HOLE" at -120.16,283.82 h25.59 r270
U7: Top Overlay "X" at 199.68,1191.1 h25.59; Top Overlay "Y" at 111.1,1279.69 h25.59; Top Overlay "Z" at 209.53,1289.68 h25.59
U8: Top Overlay "1" at 823.86,-7.99 h25.59